# KiCad board SparkX_Soft_Power_Switch_panelized.kicad_pcb (continued)
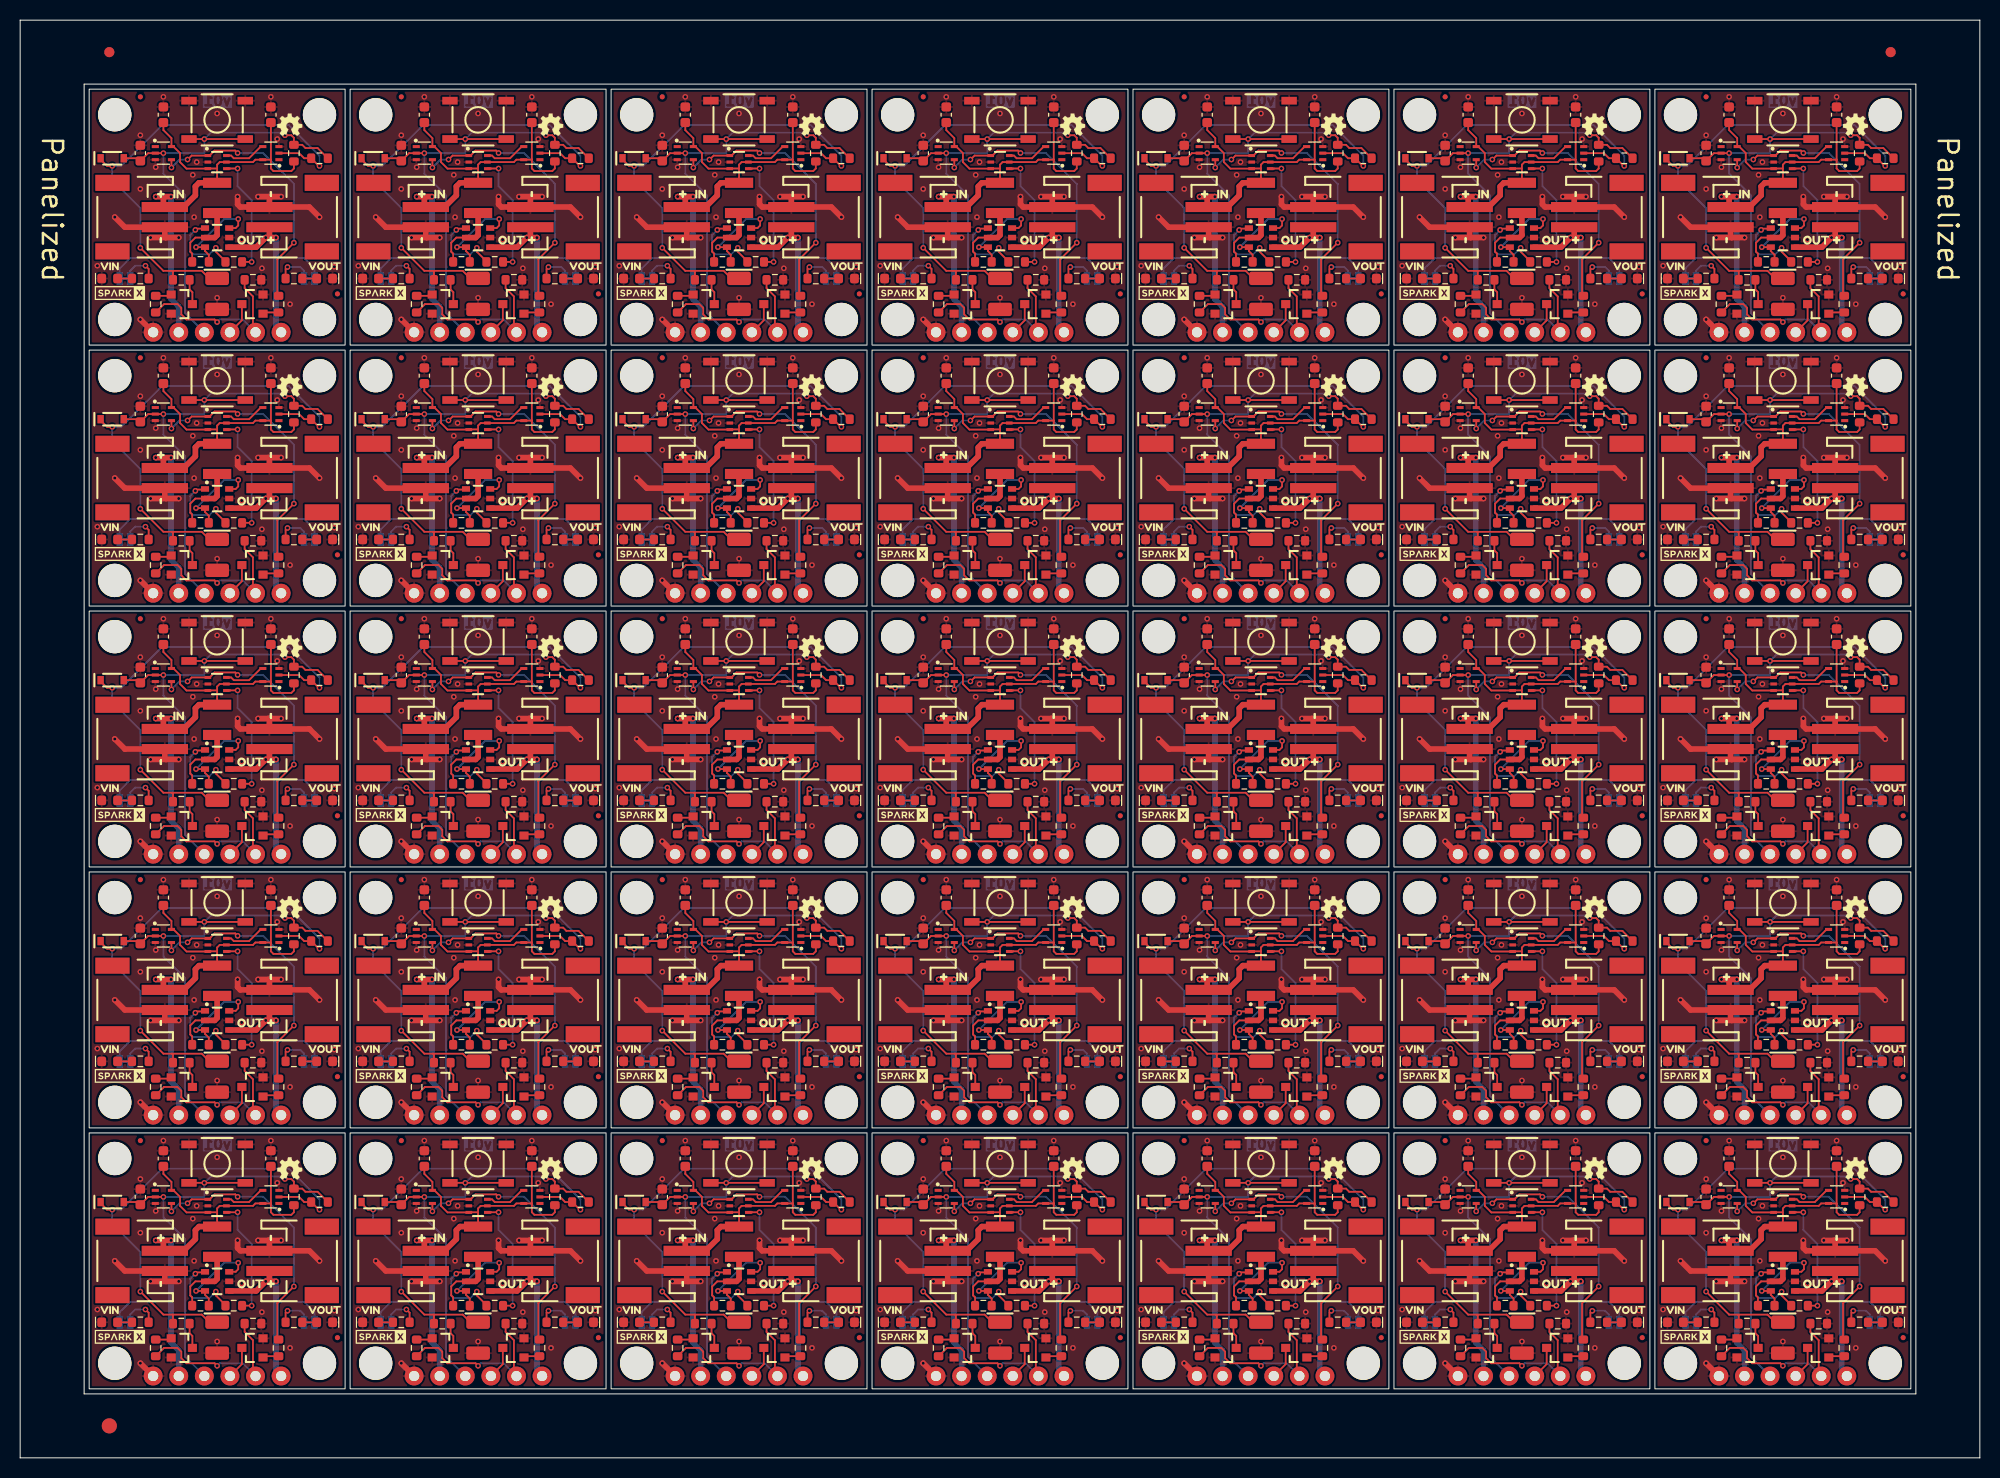
[diagram p0: board, top side]
## Placement (name value [footprint] x y rotation side) (continued)
R3#15  10k  [R_0603_1608Metric]  115.53 39.35 180 top
R3#16  10k  [R_0603_1608Metric]  141.43 13.45 180 top
R3#17  10k  [R_0603_1608Metric]  141.43 91.15 180 top
R3#18  10k  [R_0603_1608Metric]  63.73 13.45 180 top
R3#19  10k  [R_0603_1608Metric]  89.63 117.05 180 top
R3#20  10k  [R_0603_1608Metric]  115.53 13.45 180 top
R3#21  10k  [R_0603_1608Metric]  63.73 65.25 180 top
R3#22  10k  [R_0603_1608Metric]  63.73 39.35 180 top
R3#23  10k  [R_0603_1608Metric]  63.73 117.05 180 top
R3#24  10k  [R_0603_1608Metric]  115.53 91.15 180 top
R3#25  10k  [R_0603_1608Metric]  115.53 117.05 180 top
R3#26  10k  [R_0603_1608Metric]  141.43 39.35 180 top
R3#27  10k  [R_0603_1608Metric]  63.73 91.15 180 top
R3#28  10k  [R_0603_1608Metric]  141.43 65.25 180 top
R3#29  10k  [R_0603_1608Metric]  141.43 117.05 180 top
R3#30  10k  [R_0603_1608Metric]  89.63 13.45 180 top
R3#31  10k  [R_0603_1608Metric]  167.33 117.05 180 top
R3#32  10k  [R_0603_1608Metric]  167.33 65.25 180 top
R3#33  10k  [R_0603_1608Metric]  167.33 39.35 180 top
R3#34  10k  [R_0603_1608Metric]  167.33 91.15 180 top
R3#35  10k  [R_0603_1608Metric]  11.93 13.45 180 top
R4  10k  [R_0603_1608Metric]  53.07 117.05 0 top
R4#2  10k  [R_0603_1608Metric]  78.97 91.15 0 top
R4#3  10k  [R_0603_1608Metric]  104.87 65.25 0 top
R4#4  10k  [R_0603_1608Metric]  130.77 13.45 0 top
R4#5  10k  [R_0603_1608Metric]  27.17 65.25 0 top
R4#6  10k  [R_0603_1608Metric]  27.17 91.15 0 top
R4#7  10k  [R_0603_1608Metric]  156.67 13.45 0 top
R4#8  10k  [R_0603_1608Metric]  156.67 65.25 0 top
R4#9  10k  [R_0603_1608Metric]  156.67 91.15 0 top
R4#10  10k  [R_0603_1608Metric]  53.07 39.35 0 top
R4#11  10k  [R_0603_1608Metric]  104.87 91.15 0 top
R4#12  10k  [R_0603_1608Metric]  130.77 65.25 0 top
R4#13  10k  [R_0603_1608Metric]  27.17 39.35 0 top
R4#14  10k  [R_0603_1608Metric]  27.17 117.05 0 top
R4#15  10k  [R_0603_1608Metric]  78.97 13.45 0 top
R4#16  10k  [R_0603_1608Metric]  78.97 39.35 0 top
R4#17  10k  [R_0603_1608Metric]  104.87 13.45 0 top
R4#18  10k  [R_0603_1608Metric]  104.87 39.35 0 top
R4#19  10k  [R_0603_1608Metric]  53.07 65.25 0 top
R4#20  10k  [R_0603_1608Metric]  53.07 13.45 0 top
R4#21  10k  [R_0603_1608Metric]  53.07 91.15 0 top
R4#22  10k  [R_0603_1608Metric]  78.97 65.25 0 top
R4#23  10k  [R_0603_1608Metric]  78.97 117.05 0 top
R4#24  10k  [R_0603_1608Metric]  104.87 117.05 0 top
R4#25  10k  [R_0603_1608Metric]  130.77 39.35 0 top
R4#26  10k  [R_0603_1608Metric]  130.77 91.15 0 top
R4#27  10k  [R_0603_1608Metric]  130.77 117.05 0 top
R4#28  10k  [R_0603_1608Metric]  156.67 39.35 0 top
R4#29  10k  [R_0603_1608Metric]  182.57 65.25 0 top
R4#30  10k  [R_0603_1608Metric]  182.57 13.45 0 top
R4#31  10k  [R_0603_1608Metric]  182.57 91.15 0 top
R4#32  10k  [R_0603_1608Metric]  156.67 117.05 0 top
R4#33  10k  [R_0603_1608Metric]  182.57 39.35 0 top
R4#34  10k  [R_0603_1608Metric]  182.57 117.05 0 top
R4#35  10k  [R_0603_1608Metric]  27.17 13.45 0 top
R5  100  [R_0603_1608Metric]  15.99 91.03 0 top
R5#2  100  [R_0603_1608Metric]  15.99 39.23 0 top
R5#3  100  [R_0603_1608Metric]  93.69 13.33 0 top
R5#4  100  [R_0603_1608Metric]  41.89 13.33 0 top
R5#5  100  [R_0603_1608Metric]  93.69 116.93 0 top
R5#6  100  [R_0603_1608Metric]  119.59 13.33 0 top
R5#7  100  [R_0603_1608Metric]  41.89 91.03 0 top
R5#8  100  [R_0603_1608Metric]  67.79 39.23 0 top
R5#9  100  [R_0603_1608Metric]  15.99 65.13 0 top
R5#10  100  [R_0603_1608Metric]  15.99 116.93 0 top
R5#11  100  [R_0603_1608Metric]  41.89 39.23 0 top
R5#12  100  [R_0603_1608Metric]  41.89 116.93 0 top
R5#13  100  [R_0603_1608Metric]  67.79 13.33 0 top
R5#14  100  [R_0603_1608Metric]  67.79 65.13 0 top
R5#15  100  [R_0603_1608Metric]  41.89 65.13 0 top
R5#16  100  [R_0603_1608Metric]  67.79 116.93 0 top
R5#17  100  [R_0603_1608Metric]  67.79 91.03 0 top
R5#18  100  [R_0603_1608Metric]  93.69 39.23 0 top
R5#19  100  [R_0603_1608Metric]  93.69 65.13 0 top
R5#20  100  [R_0603_1608Metric]  93.69 91.03 0 top
R5#21  100  [R_0603_1608Metric]  171.39 39.23 0 top
R5#22  100  [R_0603_1608Metric]  171.39 91.03 0 top
R5#23  100  [R_0603_1608Metric]  145.49 39.23 0 top
R5#24  100  [R_0603_1608Metric]  171.39 65.13 0 top
R5#25  100  [R_0603_1608Metric]  119.59 65.13 0 top
R5#26  100  [R_0603_1608Metric]  119.59 116.93 0 top
R5#27  100  [R_0603_1608Metric]  119.59 39.23 0 top
R5#28  100  [R_0603_1608Metric]  145.49 13.33 0 top
R5#29  100  [R_0603_1608Metric]  145.49 116.93 0 top
R5#30  100  [R_0603_1608Metric]  145.49 91.03 0 top
R5#31  100  [R_0603_1608Metric]  171.39 13.33 0 top
R5#32  100  [R_0603_1608Metric]  171.39 116.93 0 top
R5#33  100  [R_0603_1608Metric]  119.59 91.03 0 top
R5#34  100  [R_0603_1608Metric]  145.49 65.13 0 top
R5#35  100  [R_0603_1608Metric]  15.99 13.33 0 top
R6  1k  [R_0603_1608Metric]  39.35 10.91 270 top
R6#2  1k  [R_0603_1608Metric]  13.45 36.81 270 top
R6#3  1k  [R_0603_1608Metric]  13.45 88.61 270 top
R6#4  1k  [R_0603_1608Metric]  13.45 62.71 270 top
R6#5  1k  [R_0603_1608Metric]  13.45 114.51 270 top
R6#6  1k  [R_0603_1608Metric]  117.05 10.91 270 top
R6#7  1k  [R_0603_1608Metric]  142.95 62.71 270 top
R6#8  1k  [R_0603_1608Metric]  142.95 114.51 270 top
R6#9  1k  [R_0603_1608Metric]  39.35 114.51 270 top
R6#10  1k  [R_0603_1608Metric]  91.15 10.91 270 top
R6#11  1k  [R_0603_1608Metric]  117.05 36.81 270 top
R6#12  1k  [R_0603_1608Metric]  91.15 62.71 270 top
R6#13  1k  [R_0603_1608Metric]  65.25 62.71 270 top
R6#14  1k  [R_0603_1608Metric]  39.35 36.81 270 top
R6#15  1k  [R_0603_1608Metric]  91.15 36.81 270 top
R6#16  1k  [R_0603_1608Metric]  39.35 62.71 270 top
R6#17  1k  [R_0603_1608Metric]  65.25 88.61 270 top
R6#18  1k  [R_0603_1608Metric]  91.15 88.61 270 top
R6#19  1k  [R_0603_1608Metric]  91.15 114.51 270 top
R6#20  1k  [R_0603_1608Metric]  65.25 10.91 270 top
R6#21  1k  [R_0603_1608Metric]  65.25 36.81 270 top
R6#22  1k  [R_0603_1608Metric]  65.25 114.51 270 top
R6#23  1k  [R_0603_1608Metric]  117.05 62.71 270 top
R6#24  1k  [R_0603_1608Metric]  117.05 114.51 270 top
R6#25  1k  [R_0603_1608Metric]  39.35 88.61 270 top
R6#26  1k  [R_0603_1608Metric]  117.05 88.61 270 top
R6#27  1k  [R_0603_1608Metric]  142.95 36.81 270 top
R6#28  1k  [R_0603_1608Metric]  142.95 10.91 270 top
R6#29  1k  [R_0603_1608Metric]  142.95 88.61 270 top
R6#30  1k  [R_0603_1608Metric]  168.85 62.71 270 top
R6#31  1k  [R_0603_1608Metric]  168.85 36.81 270 top
R6#32  1k  [R_0603_1608Metric]  168.85 10.91 270 top
R6#33  1k  [R_0603_1608Metric]  168.85 88.61 270 top
R6#34  1k  [R_0603_1608Metric]  168.85 114.51 270 top
R6#35  1k  [R_0603_1608Metric]  13.45 10.91 270 top
R7  10k  [R_0603_1608Metric]  49.01 65.13 0 top
R7#2  10k  [R_0603_1608Metric]  74.91 39.23 0 top
R7#3  10k  [R_0603_1608Metric]  23.11 116.93 0 top
R7#4  10k  [R_0603_1608Metric]  49.01 116.93 0 top
R7#5  10k  [R_0603_1608Metric]  49.01 39.23 0 top
R7#6  10k  [R_0603_1608Metric]  23.11 91.03 0 top
R7#7  10k  [R_0603_1608Metric]  49.01 91.03 0 top
R7#8  10k  [R_0603_1608Metric]  23.11 39.23 0 top
R7#9  10k  [R_0603_1608Metric]  74.91 13.33 0 top
R7#10  10k  [R_0603_1608Metric]  49.01 13.33 0 top
R7#11  10k  [R_0603_1608Metric]  152.61 116.93 0 top
R7#12  10k  [R_0603_1608Metric]  23.11 65.13 0 top
R7#13  10k  [R_0603_1608Metric]  100.81 13.33 0 top
R7#14  10k  [R_0603_1608Metric]  74.91 116.93 0 top
R7#15  10k  [R_0603_1608Metric]  126.71 39.23 0 top
R7#16  10k  [R_0603_1608Metric]  74.91 65.13 0 top
R7#17  10k  [R_0603_1608Metric]  126.71 65.13 0 top
R7#18  10k  [R_0603_1608Metric]  126.71 91.03 0 top
R7#19  10k  [R_0603_1608Metric]  152.61 91.03 0 top
R7#20  10k  [R_0603_1608Metric]  152.61 39.23 0 top
R7#21  10k  [R_0603_1608Metric]  178.51 39.23 0 top
R7#22  10k  [R_0603_1608Metric]  74.91 91.03 0 top
R7#23  10k  [R_0603_1608Metric]  100.81 39.23 0 top
R7#24  10k  [R_0603_1608Metric]  100.81 65.13 0 top
R7#25  10k  [R_0603_1608Metric]  126.71 13.33 0 top
R7#26  10k  [R_0603_1608Metric]  100.81 91.03 0 top
R7#27  10k  [R_0603_1608Metric]  100.81 116.93 0 top
R7#28  10k  [R_0603_1608Metric]  126.71 116.93 0 top
R7#29  10k  [R_0603_1608Metric]  152.61 13.33 0 top
R7#30  10k  [R_0603_1608Metric]  152.61 65.13 0 top
R7#31  10k  [R_0603_1608Metric]  178.51 65.13 0 top
R7#32  10k  [R_0603_1608Metric]  178.51 91.03 0 top
R7#33  10k  [R_0603_1608Metric]  178.51 13.33 0 top
R7#34  10k  [R_0603_1608Metric]  178.51 116.93 0 top
R7#35  10k  [R_0603_1608Metric]  23.11 13.33 0 top
R8  1k  [R_0603_1608Metric]  25.65 62.71 270 top
R8#2  1k  [R_0603_1608Metric]  103.35 10.91 270 top
R8#3  1k  [R_0603_1608Metric]  103.35 88.61 270 top
R8#4  1k  [R_0603_1608Metric]  51.55 62.71 270 top
R8#5  1k  [R_0603_1608Metric]  51.55 36.81 270 top
R8#6  1k  [R_0603_1608Metric]  51.55 88.61 270 top
R8#7  1k  [R_0603_1608Metric]  77.45 10.91 270 top
R8#8  1k  [R_0603_1608Metric]  77.45 36.81 270 top
R8#9  1k  [R_0603_1608Metric]  25.65 36.81 270 top
R8#10  1k  [R_0603_1608Metric]  155.15 62.71 270 top
R8#11  1k  [R_0603_1608Metric]  181.05 10.91 270 top
R8#12  1k  [R_0603_1608Metric]  155.15 88.61 270 top
R8#13  1k  [R_0603_1608Metric]  181.05 88.61 270 top
R8#14  1k  [R_0603_1608Metric]  103.35 36.81 270 top
R8#15  1k  [R_0603_1608Metric]  25.65 88.61 270 top
R8#16  1k  [R_0603_1608Metric]  51.55 10.91 270 top
R8#17  1k  [R_0603_1608Metric]  51.55 114.51 270 top
R8#18  1k  [R_0603_1608Metric]  77.45 62.71 270 top
R8#19  1k  [R_0603_1608Metric]  77.45 88.61 270 top
R8#20  1k  [R_0603_1608Metric]  25.65 114.51 270 top
R8#21  1k  [R_0603_1608Metric]  77.45 114.51 270 top
R8#22  1k  [R_0603_1608Metric]  103.35 62.71 270 top
R8#23  1k  [R_0603_1608Metric]  103.35 114.51 270 top
R8#24  1k  [R_0603_1608Metric]  129.25 10.91 270 top
R8#25  1k  [R_0603_1608Metric]  129.25 36.81 270 top
R8#26  1k  [R_0603_1608Metric]  129.25 62.71 270 top
R8#27  1k  [R_0603_1608Metric]  129.25 114.51 270 top
R8#28  1k  [R_0603_1608Metric]  129.25 88.61 270 top
R8#29  1k  [R_0603_1608Metric]  155.15 10.91 270 top
R8#30  1k  [R_0603_1608Metric]  155.15 36.81 270 top
R8#31  1k  [R_0603_1608Metric]  155.15 114.51 270 top
R8#32  1k  [R_0603_1608Metric]  181.05 36.81 270 top
R8#33  1k  [R_0603_1608Metric]  181.05 62.71 270 top
R8#34  1k  [R_0603_1608Metric]  181.05 114.51 270 top
R8#35  1k  [R_0603_1608Metric]  25.65 10.91 270 top
R9  1k  [R_0603_1608Metric]  47.1 66.91 0 top
R9#2  1k  [R_0603_1608Metric]  21.2 92.81 0 top
R9#3  1k  [R_0603_1608Metric]  21.2 41 0 top
R9#4  1k  [R_0603_1608Metric]  21.2 118.7 0 top
R9#5  1k  [R_0603_1608Metric]  47.1 15.11 0 top
R9#6  1k  [R_0603_1608Metric]  98.9 66.91 0 top
R9#7  1k  [R_0603_1608Metric]  21.2 66.91 0 top
R9#8  1k  [R_0603_1608Metric]  47.1 41 0 top
R9#9  1k  [R_0603_1608Metric]  47.1 118.7 0 top
R9#10  1k  [R_0603_1608Metric]  73 41 0 top
R9#11  1k  [R_0603_1608Metric]  73 15.11 0 top
R9#12  1k  [R_0603_1608Metric]  73 118.7 0 top
R9#13  1k  [R_0603_1608Metric]  73 92.81 0 top
R9#14  1k  [R_0603_1608Metric]  73 66.91 0 top
R9#15  1k  [R_0603_1608Metric]  47.1 92.81 0 top
R9#16  1k  [R_0603_1608Metric]  98.9 15.11 0 top
R9#17  1k  [R_0603_1608Metric]  98.9 41 0 top
R9#18  1k  [R_0603_1608Metric]  150.7 118.7 0 top
R9#19  1k  [R_0603_1608Metric]  124.8 92.81 0 top
R9#20  1k  [R_0603_1608Metric]  124.8 118.7 0 top
R9#21  1k  [R_0603_1608Metric]  150.7 92.81 0 top
R9#22  1k  [R_0603_1608Metric]  150.7 15.11 0 top
R9#23  1k  [R_0603_1608Metric]  150.7 66.91 0 top
R9#24  1k  [R_0603_1608Metric]  124.8 66.91 0 top
R9#25  1k  [R_0603_1608Metric]  176.6 92.81 0 top
R9#26  1k  [R_0603_1608Metric]  176.6 41 0 top
R9#27  1k  [R_0603_1608Metric]  98.9 92.81 0 top
R9#28  1k  [R_0603_1608Metric]  176.6 118.7 0 top
R9#29  1k  [R_0603_1608Metric]  150.7 41 0 top
R9#30  1k  [R_0603_1608Metric]  124.8 15.11 0 top
R9#31  1k  [R_0603_1608Metric]  124.8 41 0 top
R9#32  1k  [R_0603_1608Metric]  98.9 118.7 0 top
R9#33  1k  [R_0603_1608Metric]  176.6 66.91 0 top
R9#34  1k  [R_0603_1608Metric]  176.6 15.11 0 top
R9#35  1k  [R_0603_1608Metric]  21.2 15.11 0 top
R10  100k  [R_0603_1608Metric]  173.3 66.91 180 top
R10#2  100k  [R_0603_1608Metric]  173.3 118.7 180 top
R10#3  100k  [R_0603_1608Metric]  147.4 92.81 180 top
R10#4  100k  [R_0603_1608Metric]  173.3 92.81 180 top
R10#5  100k  [R_0603_1608Metric]  147.4 66.91 180 top
R10#6  100k  [R_0603_1608Metric]  147.4 118.7 180 top
R10#7  100k  [R_0603_1608Metric]  173.3 41 180 top
R10#8  100k  [R_0603_1608Metric]  173.3 15.11 180 top
R10#9  100k  [R_0603_1608Metric]  17.9 118.7 180 top
R10#10  100k  [R_0603_1608Metric]  43.8 41 180 top
R10#11  100k  [R_0603_1608Metric]  17.9 41 180 top
R10#12  100k  [R_0603_1608Metric]  17.9 92.81 180 top
R10#13  100k  [R_0603_1608Metric]  43.8 15.11 180 top
R10#14  100k  [R_0603_1608Metric]  17.9 66.91 180 top
R10#15  100k  [R_0603_1608Metric]  147.4 15.11 180 top
R10#16  100k  [R_0603_1608Metric]  147.4 41 180 top
R10#17  100k  [R_0603_1608Metric]  95.6 15.11 180 top
R10#18  100k  [R_0603_1608Metric]  69.7 15.11 180 top
R10#19  100k  [R_0603_1608Metric]  69.7 41 180 top
R10#20  100k  [R_0603_1608Metric]  43.8 118.7 180 top
R10#21  100k  [R_0603_1608Metric]  43.8 92.81 180 top
R10#22  100k  [R_0603_1608Metric]  69.7 66.91 180 top
R10#23  100k  [R_0603_1608Metric]  95.6 92.81 180 top
R10#24  100k  [R_0603_1608Metric]  69.7 118.7 180 top
R10#25  100k  [R_0603_1608Metric]  43.8 66.91 180 top
R10#26  100k  [R_0603_1608Metric]  69.7 92.81 180 top
R10#27  100k  [R_0603_1608Metric]  95.6 66.91 180 top
R10#28  100k  [R_0603_1608Metric]  95.6 118.7 180 top
R10#29  100k  [R_0603_1608Metric]  121.5 15.11 180 top
R10#30  100k  [R_0603_1608Metric]  121.5 41 180 top
R10#31  100k  [R_0603_1608Metric]  121.5 66.91 180 top
R10#32  100k  [R_0603_1608Metric]  121.5 92.81 180 top
R10#33  100k  [R_0603_1608Metric]  121.5 118.7 180 top
R10#34  100k  [R_0603_1608Metric]  95.6 41 180 top
R10#35  100k  [R_0603_1608Metric]  17.9 15.11 180 top
Ref**  Val**  [OSHW_Logo_2.5mm]  130.36 28.59 0 top
Ref**#2  Val**  [OSHW_Logo_2.5mm]  156.26 106.29 0 top
Ref**#3  Val**  [OSHW_Logo_2.5mm]  26.76 80.39 0 top
Ref**#4  Val**  [OSHW_Logo_2.5mm]  26.76 54.49 0 top
Ref**#5  Val**  [OSHW_Logo_2.5mm]  26.76 132.19 0 top
Ref**#6  Val**  [OSHW_Logo_2.5mm]  52.66 28.59 0 top
Ref**#7  Val**  [OSHW_Logo_2.5mm]  52.66 54.49 0 top
Ref**#8  Val**  [OSHW_Logo_2.5mm]  52.66 80.39 0 top
Ref**#9  Val**  [OSHW_Logo_2.5mm]  52.66 106.29 0 top
Ref**#10  Val**  [OSHW_Logo_2.5mm]  78.56 80.39 0 top
Ref**#11  Val**  [OSHW_Logo_2.5mm]  104.46 28.59 0 top
Ref**#12  Val**  [OSHW_Logo_2.5mm]  104.46 54.49 0 top
Ref**#13  Val**  [OSHW_Logo_2.5mm]  104.46 106.29 0 top
Ref**#14  Val**  [OSHW_Logo_2.5mm]  26.76 106.29 0 top
Ref**#15  Val**  [OSHW_Logo_2.5mm]  52.66 132.19 0 top
Ref**#16  Val**  [OSHW_Logo_2.5mm]  78.56 106.29 0 top
Ref**#17  Val**  [OSHW_Logo_2.5mm]  78.56 54.49 0 top
Ref**#18  Val**  [OSHW_Logo_2.5mm]  78.56 132.19 0 top
Ref**#19  Val**  [OSHW_Logo_2.5mm]  104.46 80.39 0 top
Ref**#20  Val**  [OSHW_Logo_2.5mm]  78.56 28.59 0 top
Ref**#21  Val**  [OSHW_Logo_2.5mm]  104.46 132.19 0 top
Ref**#22  Val**  [OSHW_Logo_2.5mm]  156.26 132.19 0 top
Ref**#23  Val**  [OSHW_Logo_2.5mm]  182.16 54.49 0 top
Ref**#24  Val**  [OSHW_Logo_2.5mm]  156.26 54.49 0 top
Ref**#25  Val**  [OSHW_Logo_2.5mm]  156.26 80.39 0 top
Ref**#26  Val**  [OSHW_Logo_2.5mm]  156.26 28.59 0 top
Ref**#27  Val**  [OSHW_Logo_2.5mm]  130.36 106.29 0 top
Ref**#28  Val**  [OSHW_Logo_2.5mm]  182.16 80.39 0 top
Ref**#29  Val**  [OSHW_Logo_2.5mm]  182.16 132.19 0 top
Ref**#30  Val**  [OSHW_Logo_2.5mm]  130.36 80.39 0 top
Ref**#31  Val**  [OSHW_Logo_2.5mm]  130.36 54.49 0 top
Ref**#32  Val**  [OSHW_Logo_2.5mm]  130.36 132.19 0 top
Ref**#33  Val**  [OSHW_Logo_2.5mm]  182.16 28.59 0 top
Ref**#34  Val**  [OSHW_Logo_2.5mm]  182.16 106.29 0 top
Ref**#35  Val**  [OSHW_Logo_2.5mm]  26.76 28.59 0 top
ST1  Stand_off  [Standoff]  112.99 107.41 0 top
ST1#2  Stand_off  [Standoff]  138.89 55.61 0 top
ST1#3  Stand_off  [Standoff]  138.89 29.71 0 top
ST1#4  Stand_off  [Standoff]  138.89 81.51 0 top
ST1#5  Stand_off  [Standoff]  138.89 107.41 0 top
ST1#6  Stand_off  [Standoff]  164.79 29.71 0 top
ST1#7  Stand_off  [Standoff]  164.79 55.61 0 top
ST1#8  Stand_off  [Standoff]  138.89 133.31 0 top
ST1#9  Stand_off  [Standoff]  112.99 133.31 0 top
ST1#10  Stand_off  [Standoff]  164.79 107.41 0 top
ST1#11  Stand_off  [Standoff]  164.79 133.31 0 top
ST1#12  Stand_off  [Standoff]  164.79 81.51 0 top
ST1#13  Stand_off  [Standoff]  35.29 81.51 0 top
ST1#14  Stand_off  [Standoff]  9.39 81.51 0 top
ST1#15  Stand_off  [Standoff]  9.39 107.41 0 top
ST1#16  Stand_off  [Standoff]  35.29 107.41 0 top
ST1#17  Stand_off  [Standoff]  9.39 133.31 0 top
ST1#18  Stand_off  [Standoff]  9.39 55.61 0 top
ST1#19  Stand_off  [Standoff]  35.29 29.71 0 top
ST1#20  Stand_off  [Standoff]  35.29 55.61 0 top
ST1#21  Stand_off  [Standoff]  61.19 107.41 0 top
ST1#22  Stand_off  [Standoff]  61.19 133.31 0 top
ST1#23  Stand_off  [Standoff]  87.09 29.71 0 top
ST1#24  Stand_off  [Standoff]  87.09 55.61 0 top
ST1#25  Stand_off  [Standoff]  112.99 29.71 0 top
ST1#26  Stand_off  [Standoff]  61.19 55.61 0 top
ST1#27  Stand_off  [Standoff]  112.99 55.61 0 top
ST1#28  Stand_off  [Standoff]  35.29 133.31 0 top
ST1#29  Stand_off  [Standoff]  61.19 29.71 0 top
ST1#30  Stand_off  [Standoff]  61.19 81.51 0 top
ST1#31  Stand_off  [Standoff]  87.09 81.51 0 top
ST1#32  Stand_off  [Standoff]  87.09 107.41 0 top
ST1#33  Stand_off  [Standoff]  87.09 133.31 0 top
ST1#34  Stand_off  [Standoff]  112.99 81.51 0 top
ST1#35  Stand_off  [Standoff]  9.39 29.71 0 top
ST2  Stand_off  [Standoff]  9.39 35.29 0 top
ST2#2  Stand_off  [Standoff]  61.19 9.39 0 top
ST2#3  Stand_off  [Standoff]  35.29 9.39 0 top
ST2#4  Stand_off  [Standoff]  87.09 61.19 0 top
ST2#5  Stand_off  [Standoff]  9.39 61.19 0 top
ST2#6  Stand_off  [Standoff]  35.29 35.29 0 top
ST2#7  Stand_off  [Standoff]  35.29 61.19 0 top
ST2#8  Stand_off  [Standoff]  61.19 112.99 0 top
ST2#9  Stand_off  [Standoff]  35.29 112.99 0 top
ST2#10  Stand_off  [Standoff]  9.39 112.99 0 top
ST2#11  Stand_off  [Standoff]  9.39 87.09 0 top
ST2#12  Stand_off  [Standoff]  35.29 87.09 0 top
ST2#13  Stand_off  [Standoff]  61.19 35.29 0 top
ST2#14  Stand_off  [Standoff]  61.19 61.19 0 top
ST2#15  Stand_off  [Standoff]  61.19 87.09 0 top
ST2#16  Stand_off  [Standoff]  87.09 9.39 0 top
ST2#17  Stand_off  [Standoff]  87.09 35.29 0 top
ST2#18  Stand_off  [Standoff]  87.09 87.09 0 top
ST2#19  Stand_off  [Standoff]  112.99 9.39 0 top
ST2#20  Stand_off  [Standoff]  112.99 35.29 0 top
ST2#21  Stand_off  [Standoff]  112.99 87.09 0 top
ST2#22  Stand_off  [Standoff]  112.99 61.19 0 top
ST2#23  Stand_off  [Standoff]  138.89 9.39 0 top
ST2#24  Stand_off  [Standoff]  138.89 35.29 0 top
ST2#25  Stand_off  [Standoff]  138.89 61.19 0 top
ST2#26  Stand_off  [Standoff]  112.99 112.99 0 top
ST2#27  Stand_off  [Standoff]  138.89 87.09 0 top
ST2#28  Stand_off  [Standoff]  138.89 112.99 0 top
ST2#29  Stand_off  [Standoff]  87.09 112.99 0 top
ST2#30  Stand_off  [Standoff]  164.79 87.09 0 top
ST2#31  Stand_off  [Standoff]  164.79 35.29 0 top
ST2#32  Stand_off  [Standoff]  164.79 61.19 0 top
ST2#33  Stand_off  [Standoff]  164.79 9.39 0 top
ST2#34  Stand_off  [Standoff]  164.79 112.99 0 top
ST2#35  Stand_off  [Standoff]  9.39 9.39 0 top
ST3  Stand_off  [Standoff]  55.61 107.41 0 top
ST3#2  Stand_off  [Standoff]  55.61 55.61 0 top
ST3#3  Stand_off  [Standoff]  107.41 133.31 0 top
ST3#4  Stand_off  [Standoff]  81.51 55.61 0 top
ST3#5  Stand_off  [Standoff]  81.51 133.31 0 top
ST3#6  Stand_off  [Standoff]  107.41 29.71 0 top
ST3#7  Stand_off  [Standoff]  29.71 133.31 0 top
ST3#8  Stand_off  [Standoff]  29.71 81.51 0 top
ST3#9  Stand_off  [Standoff]  81.51 107.41 0 top
ST3#10  Stand_off  [Standoff]  29.71 107.41 0 top
ST3#11  Stand_off  [Standoff]  29.71 55.61 0 top
ST3#12  Stand_off  [Standoff]  81.51 81.51 0 top
ST3#13  Stand_off  [Standoff]  81.51 29.71 0 top
ST3#14  Stand_off  [Standoff]  107.41 81.51 0 top
ST3#15  Stand_off  [Standoff]  107.41 107.41 0 top
ST3#16  Stand_off  [Standoff]  55.61 81.51 0 top
ST3#17  Stand_off  [Standoff]  55.61 29.71 0 top
ST3#18  Stand_off  [Standoff]  55.61 133.31 0 top
ST3#19  Stand_off  [Standoff]  107.41 55.61 0 top
ST3#20  Stand_off  [Standoff]  133.31 55.61 0 top
ST3#21  Stand_off  [Standoff]  133.31 81.51 0 top
ST3#22  Stand_off  [Standoff]  133.31 133.31 0 top
ST3#23  Stand_off  [Standoff]  185.11 55.61 0 top
ST3#24  Stand_off  [Standoff]  159.21 81.51 0 top
ST3#25  Stand_off  [Standoff]  185.11 133.31 0 top
ST3#26  Stand_off  [Standoff]  159.21 107.41 0 top
ST3#27  Stand_off  [Standoff]  159.21 29.71 0 top
ST3#28  Stand_off  [Standoff]  159.21 55.61 0 top
ST3#29  Stand_off  [Standoff]  185.11 29.71 0 top
ST3#30  Stand_off  [Standoff]  185.11 81.51 0 top
ST3#31  Stand_off  [Standoff]  159.21 133.31 0 top
ST3#32  Stand_off  [Standoff]  133.31 107.41 0 top
ST3#33  Stand_off  [Standoff]  133.31 29.71 0 top
ST3#34  Stand_off  [Standoff]  185.11 107.41 0 top
ST3#35  Stand_off  [Standoff]  29.71 29.71 0 top
ST4  Stand_off  [Standoff]  107.41 35.29 0 top
ST4#2  Stand_off  [Standoff]  133.31 61.19 0 top
ST4#3  Stand_off  [Standoff]  159.21 35.29 0 top
ST4#4  Stand_off  [Standoff]  159.21 87.09 0 top
ST4#5  Stand_off  [Standoff]  81.51 112.99 0 top
ST4#6  Stand_off  [Standoff]  107.41 87.09 0 top
ST4#7  Stand_off  [Standoff]  185.11 61.19 0 top
ST4#8  Stand_off  [Standoff]  185.11 112.99 0 top
ST4#9  Stand_off  [Standoff]  81.51 61.19 0 top
ST4#10  Stand_off  [Standoff]  133.31 87.09 0 top
ST4#11  Stand_off  [Standoff]  81.51 9.39 0 top
ST4#12  Stand_off  [Standoff]  81.51 87.09 0 top
ST4#13  Stand_off  [Standoff]  107.41 112.99 0 top
ST4#14  Stand_off  [Standoff]  133.31 9.39 0 top
ST4#15  Stand_off  [Standoff]  133.31 35.29 0 top
ST4#16  Stand_off  [Standoff]  133.31 112.99 0 top
ST4#17  Stand_off  [Standoff]  81.51 35.29 0 top
ST4#18  Stand_off  [Standoff]  55.61 112.99 0 top
ST4#19  Stand_off  [Standoff]  107.41 9.39 0 top
ST4#20  Stand_off  [Standoff]  107.41 61.19 0 top
ST4#21  Stand_off  [Standoff]  159.21 9.39 0 top
ST4#22  Stand_off  [Standoff]  159.21 61.19 0 top
ST4#23  Stand_off  [Standoff]  185.11 9.39 0 top
ST4#24  Stand_off  [Standoff]  185.11 35.29 0 top
ST4#25  Stand_off  [Standoff]  159.21 112.99 0 top
ST4#26  Stand_off  [Standoff]  185.11 87.09 0 top
ST4#27  Stand_off  [Standoff]  29.71 87.09 0 top
ST4#28  Stand_off  [Standoff]  29.71 112.99 0 top
ST4#29  Stand_off  [Standoff]  55.61 35.29 0 top
ST4#30  Stand_off  [Standoff]  55.61 9.39 0 top
ST4#31  Stand_off  [Standoff]  55.61 61.19 0 top
ST4#32  Stand_off  [Standoff]  55.61 87.09 0 top
ST4#33  Stand_off  [Standoff]  29.71 35.29 0 top
ST4#34  Stand_off  [Standoff]  29.71 61.19 0 top
ST4#35  Stand_off  [Standoff]  29.71 9.39 0 top
SW1  SMD_5.2x5.2mm_h1.9mm  [Push_SMD_5.2x5.2mm]  19.55 55.1 0 top
SW1#2  SMD_5.2x5.2mm_h1.9mm  [Push_SMD_5.2x5.2mm]  19.55 106.9 0 top
SW1#3  SMD_5.2x5.2mm_h1.9mm  [Push_SMD_5.2x5.2mm]  45.45 29.2 0 top
SW1#4  SMD_5.2x5.2mm_h1.9mm  [Push_SMD_5.2x5.2mm]  45.45 81 0 top
SW1#5  SMD_5.2x5.2mm_h1.9mm  [Push_SMD_5.2x5.2mm]  19.55 81 0 top
SW1#6  SMD_5.2x5.2mm_h1.9mm  [Push_SMD_5.2x5.2mm]  19.55 132.8 0 top
SW1#7  SMD_5.2x5.2mm_h1.9mm  [Push_SMD_5.2x5.2mm]  45.45 55.1 0 top
SW1#8  SMD_5.2x5.2mm_h1.9mm  [Push_SMD_5.2x5.2mm]  97.25 55.1 0 top
SW1#9  SMD_5.2x5.2mm_h1.9mm  [Push_SMD_5.2x5.2mm]  149.05 81 0 top
SW1#10  SMD_5.2x5.2mm_h1.9mm  [Push_SMD_5.2x5.2mm]  149.05 132.8 0 top
SW1#11  SMD_5.2x5.2mm_h1.9mm  [Push_SMD_5.2x5.2mm]  174.95 81 0 top
SW1#12  SMD_5.2x5.2mm_h1.9mm  [Push_SMD_5.2x5.2mm]  174.95 55.1 0 top
SW1#13  SMD_5.2x5.2mm_h1.9mm  [Push_SMD_5.2x5.2mm]  45.45 106.9 0 top
SW1#14  SMD_5.2x5.2mm_h1.9mm  [Push_SMD_5.2x5.2mm]  45.45 132.8 0 top
SW1#15  SMD_5.2x5.2mm_h1.9mm  [Push_SMD_5.2x5.2mm]  71.35 55.1 0 top
SW1#16  SMD_5.2x5.2mm_h1.9mm  [Push_SMD_5.2x5.2mm]  71.35 81 0 top
SW1#17  SMD_5.2x5.2mm_h1.9mm  [Push_SMD_5.2x5.2mm]  97.25 29.2 0 top
SW1#18  SMD_5.2x5.2mm_h1.9mm  [Push_SMD_5.2x5.2mm]  97.25 132.8 0 top
SW1#19  SMD_5.2x5.2mm_h1.9mm  [Push_SMD_5.2x5.2mm]  123.15 81 0 top
SW1#20  SMD_5.2x5.2mm_h1.9mm  [Push_SMD_5.2x5.2mm]  123.15 106.9 0 top
SW1#21  SMD_5.2x5.2mm_h1.9mm  [Push_SMD_5.2x5.2mm]  97.25 81 0 top
SW1#22  SMD_5.2x5.2mm_h1.9mm  [Push_SMD_5.2x5.2mm]  71.35 132.8 0 top
SW1#23  SMD_5.2x5.2mm_h1.9mm  [Push_SMD_5.2x5.2mm]  71.35 29.2 0 top
SW1#24  SMD_5.2x5.2mm_h1.9mm  [Push_SMD_5.2x5.2mm]  71.35 106.9 0 top
SW1#25  SMD_5.2x5.2mm_h1.9mm  [Push_SMD_5.2x5.2mm]  123.15 132.8 0 top
SW1#26  SMD_5.2x5.2mm_h1.9mm  [Push_SMD_5.2x5.2mm]  97.25 106.9 0 top
SW1#27  SMD_5.2x5.2mm_h1.9mm  [Push_SMD_5.2x5.2mm]  123.15 29.2 0 top
SW1#28  SMD_5.2x5.2mm_h1.9mm  [Push_SMD_5.2x5.2mm]  123.15 55.1 0 top
SW1#29  SMD_5.2x5.2mm_h1.9mm  [Push_SMD_5.2x5.2mm]  149.05 29.2 0 top
SW1#30  SMD_5.2x5.2mm_h1.9mm  [Push_SMD_5.2x5.2mm]  149.05 55.1 0 top
SW1#31  SMD_5.2x5.2mm_h1.9mm  [Push_SMD_5.2x5.2mm]  149.05 106.9 0 top
SW1#32  SMD_5.2x5.2mm_h1.9mm  [Push_SMD_5.2x5.2mm]  174.95 29.2 0 top